# Altium PCB cat.PcbDoc (part 1 of 3)
Units mm, origin at the board's own origin, x right, y up, seen from the top; angles counter-clockwise.
Board outline 65 x 116 mm, 4 copper layers (Top Layer, Layer 2, Layer 3, Bottom Layer), stack 1.518 mm thick; 236 components, 164 nets, 890 pads, 231 vias.
Unrouted connection lines stored in the file: 330.
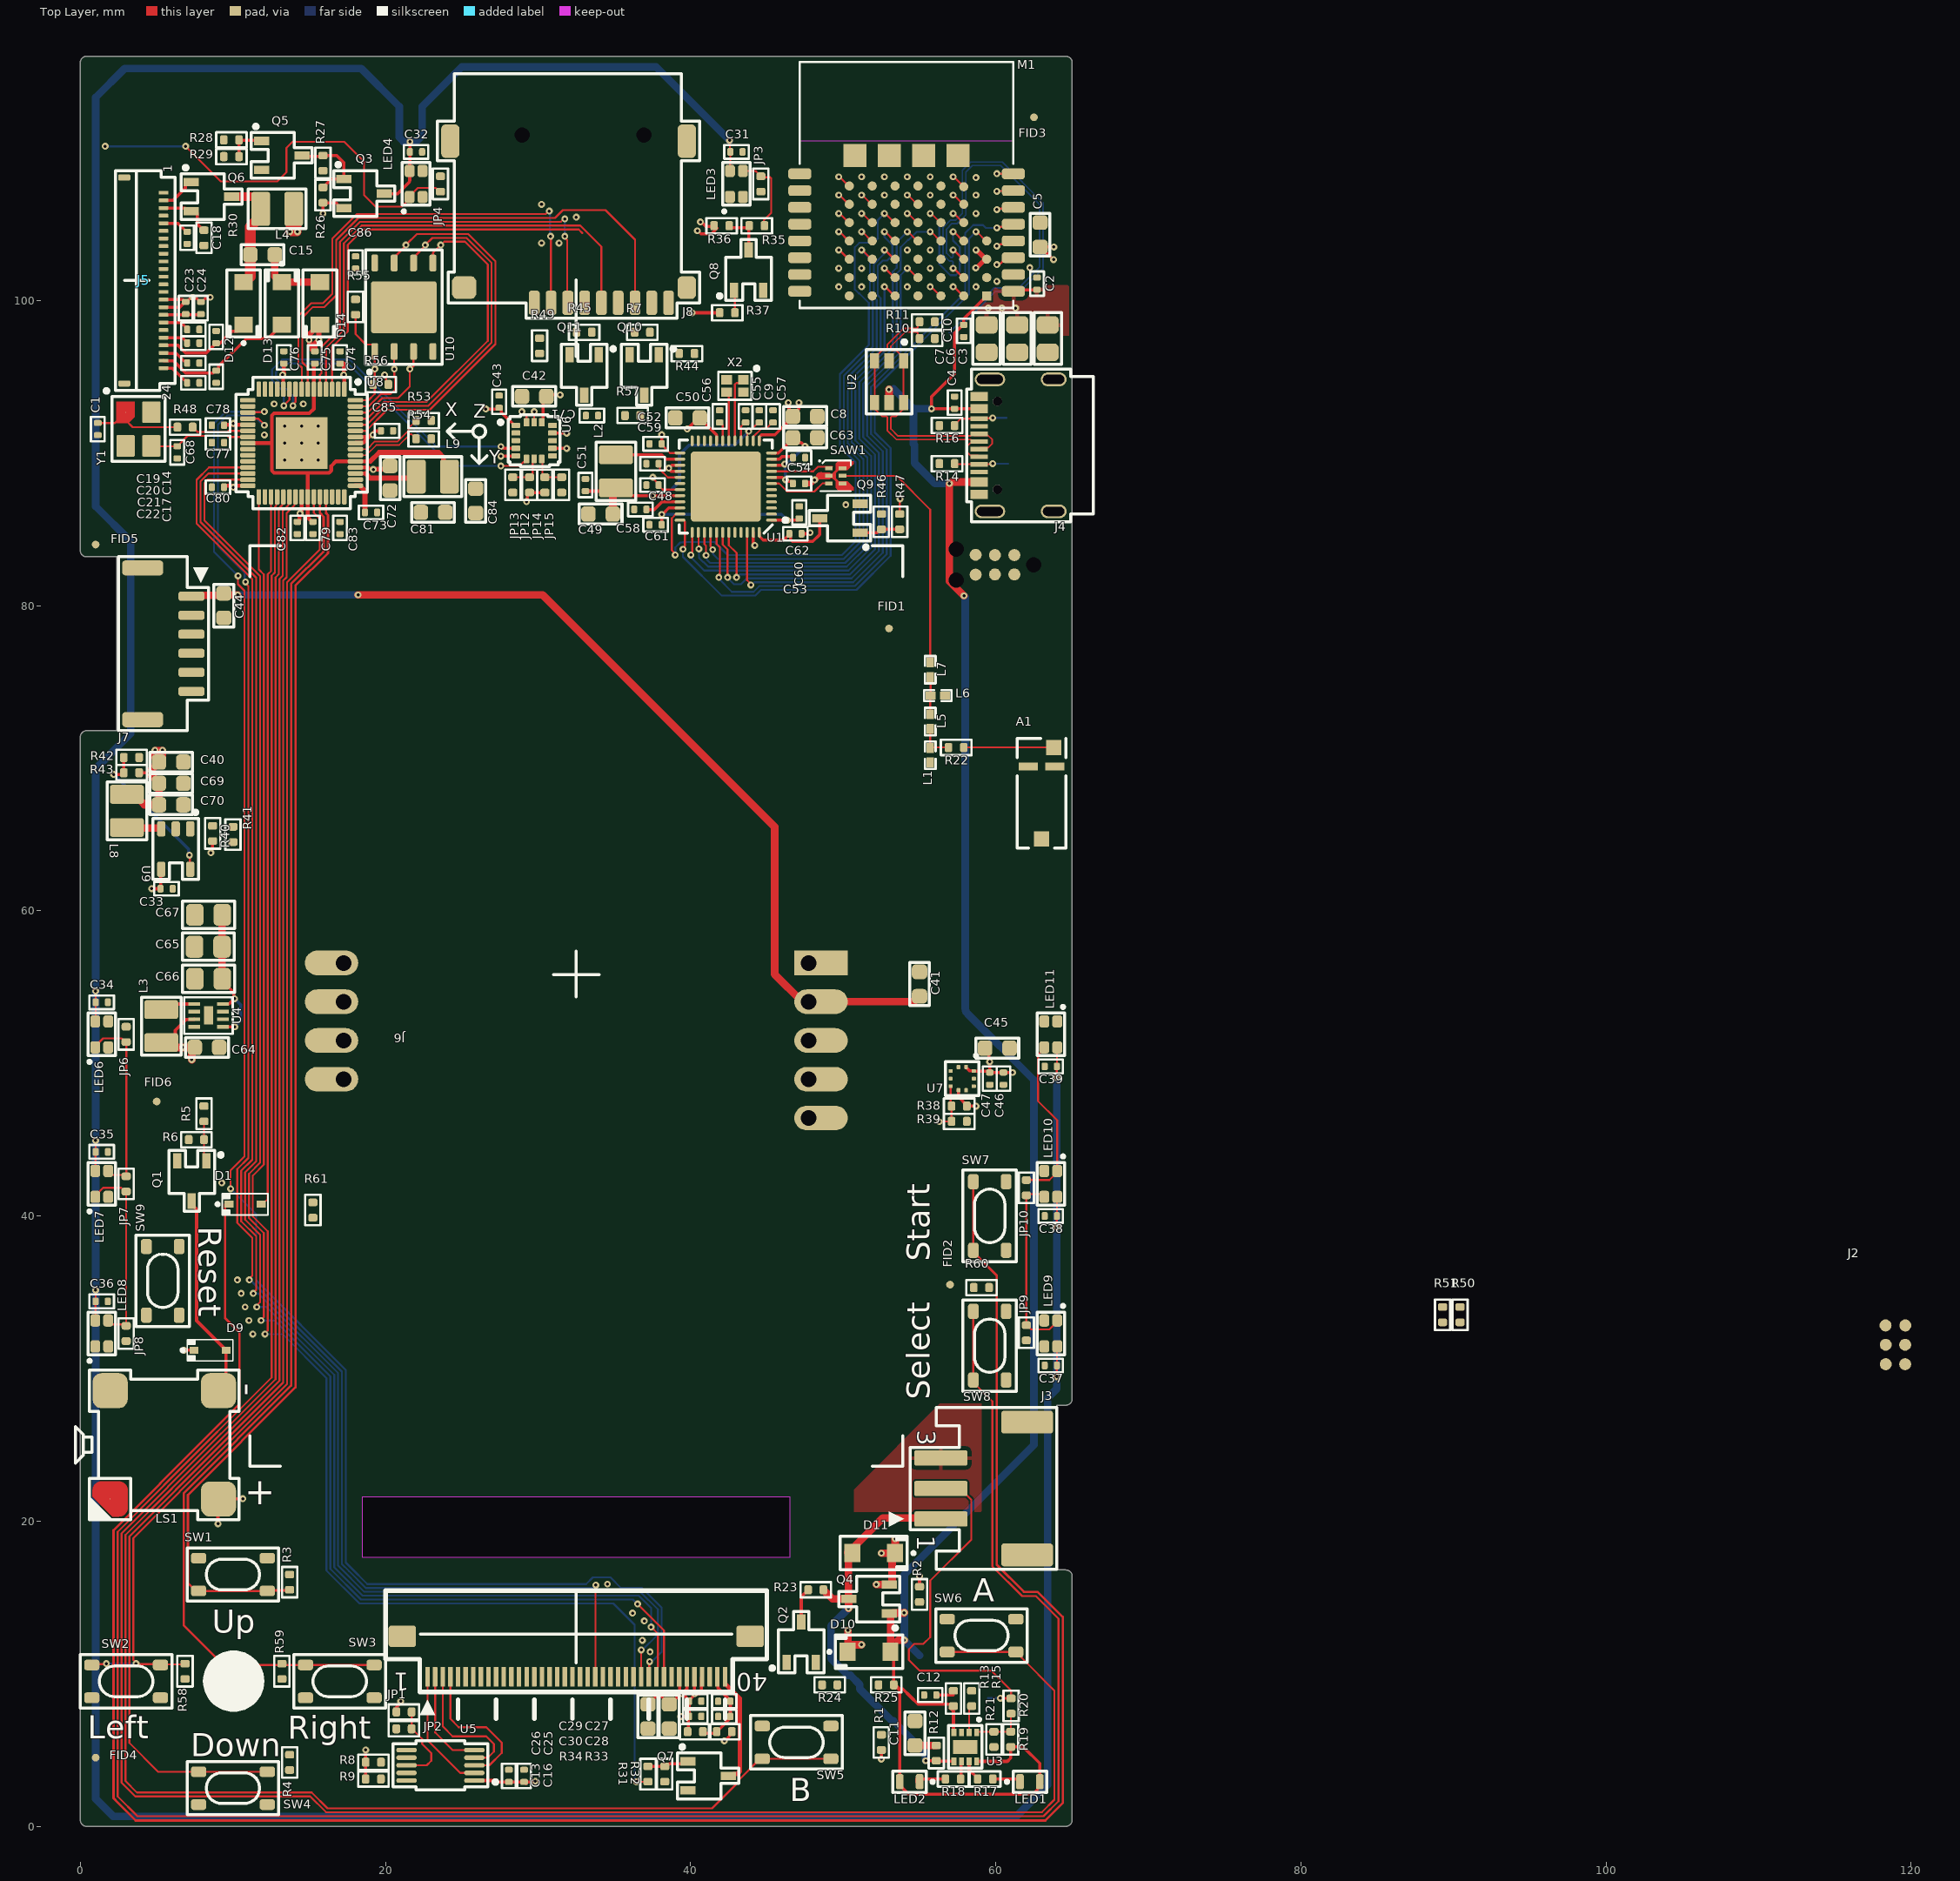
[diagram p0: Top Layer view]
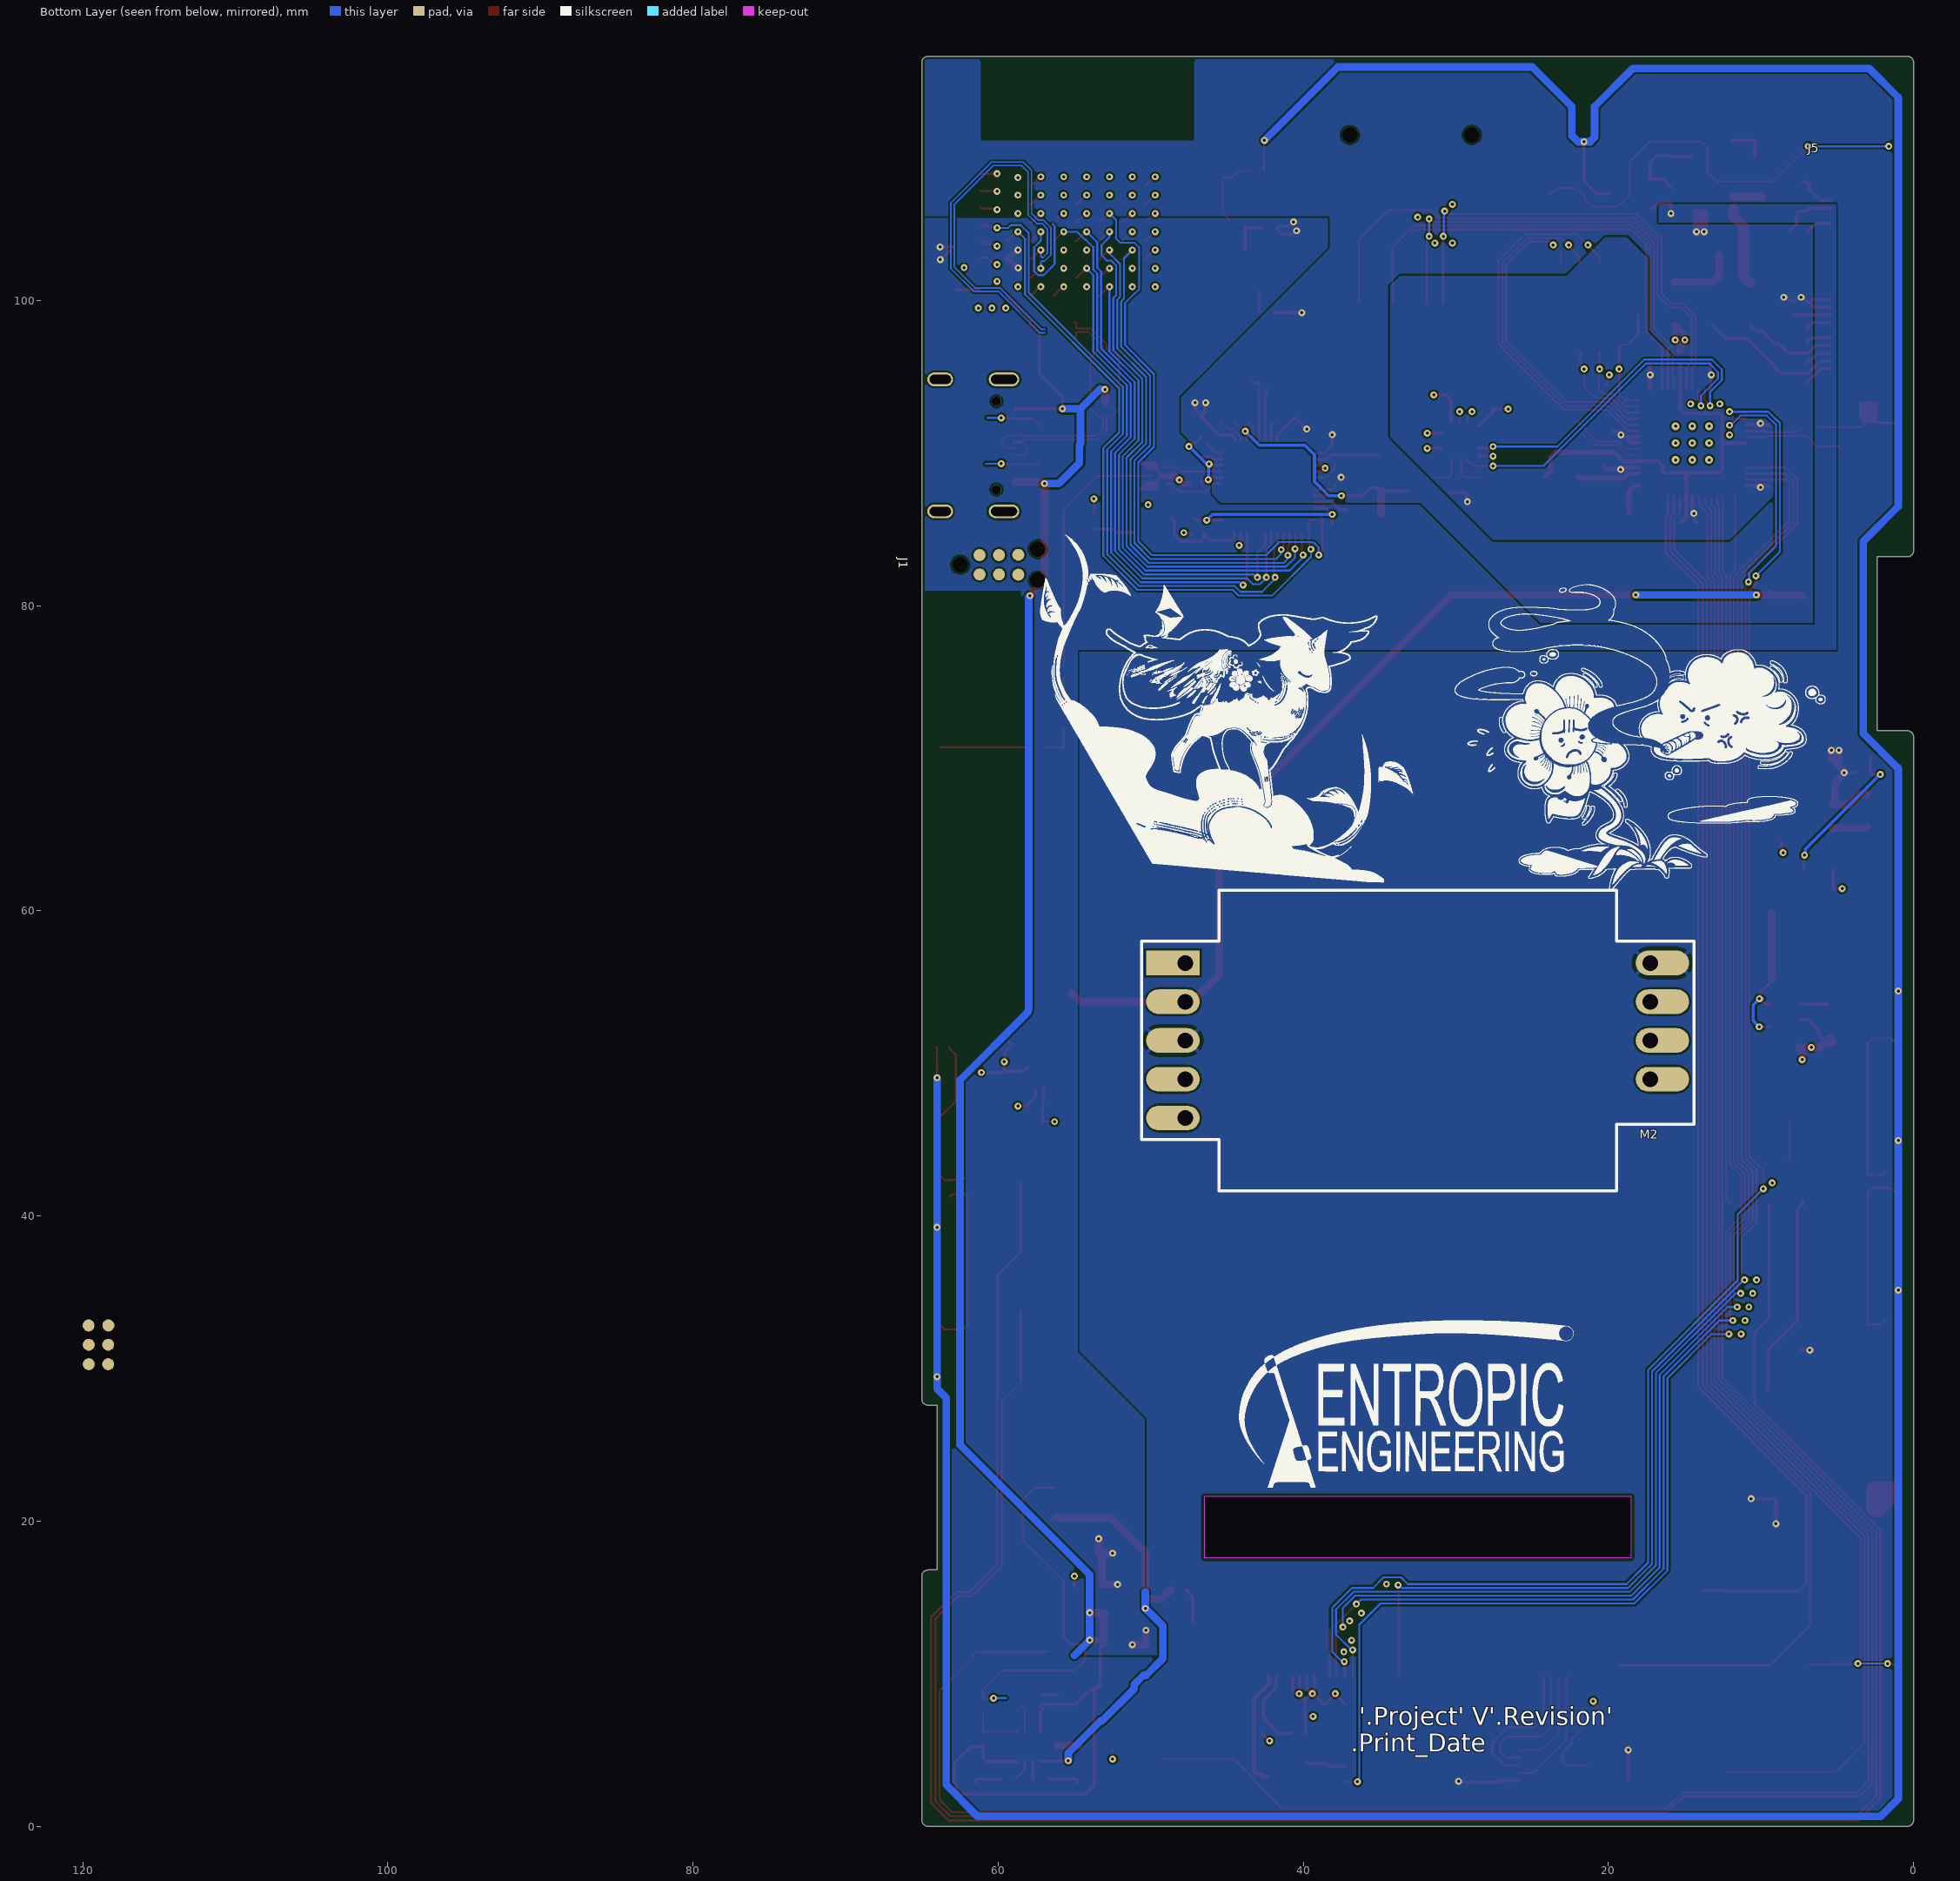
[diagram p1: Bottom Layer view, seen from below]
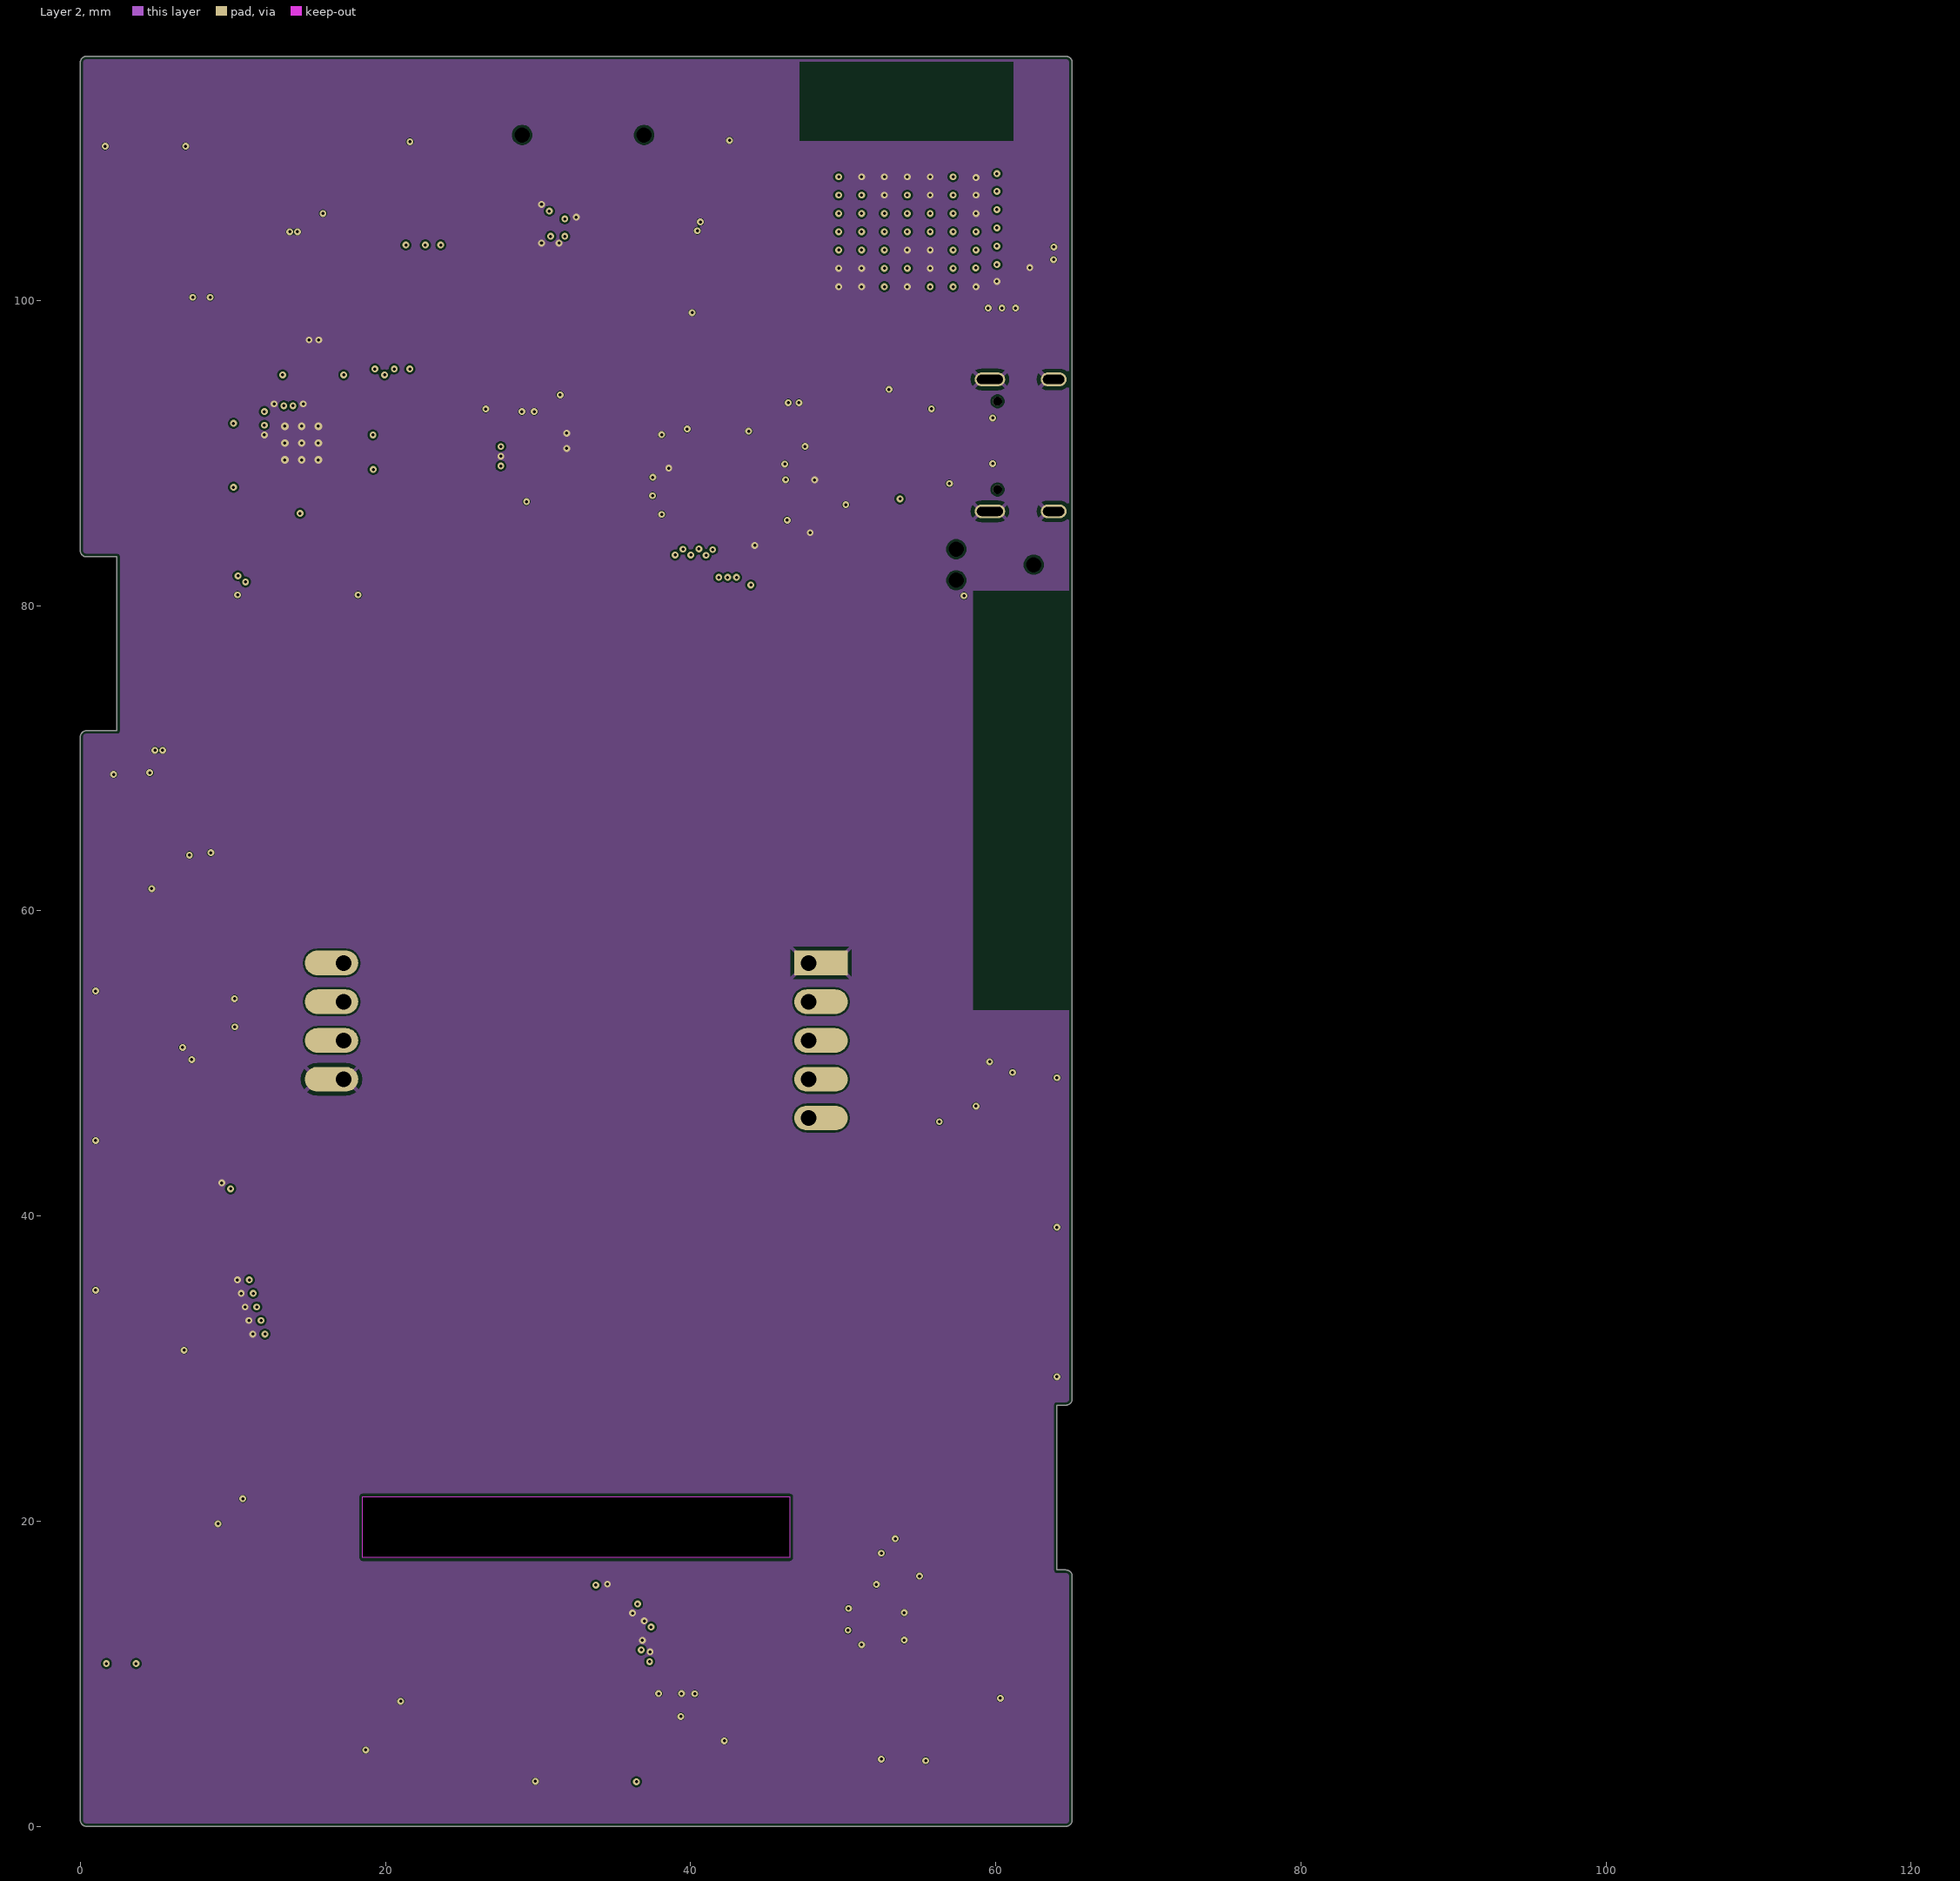
[diagram p2: Layer 2]
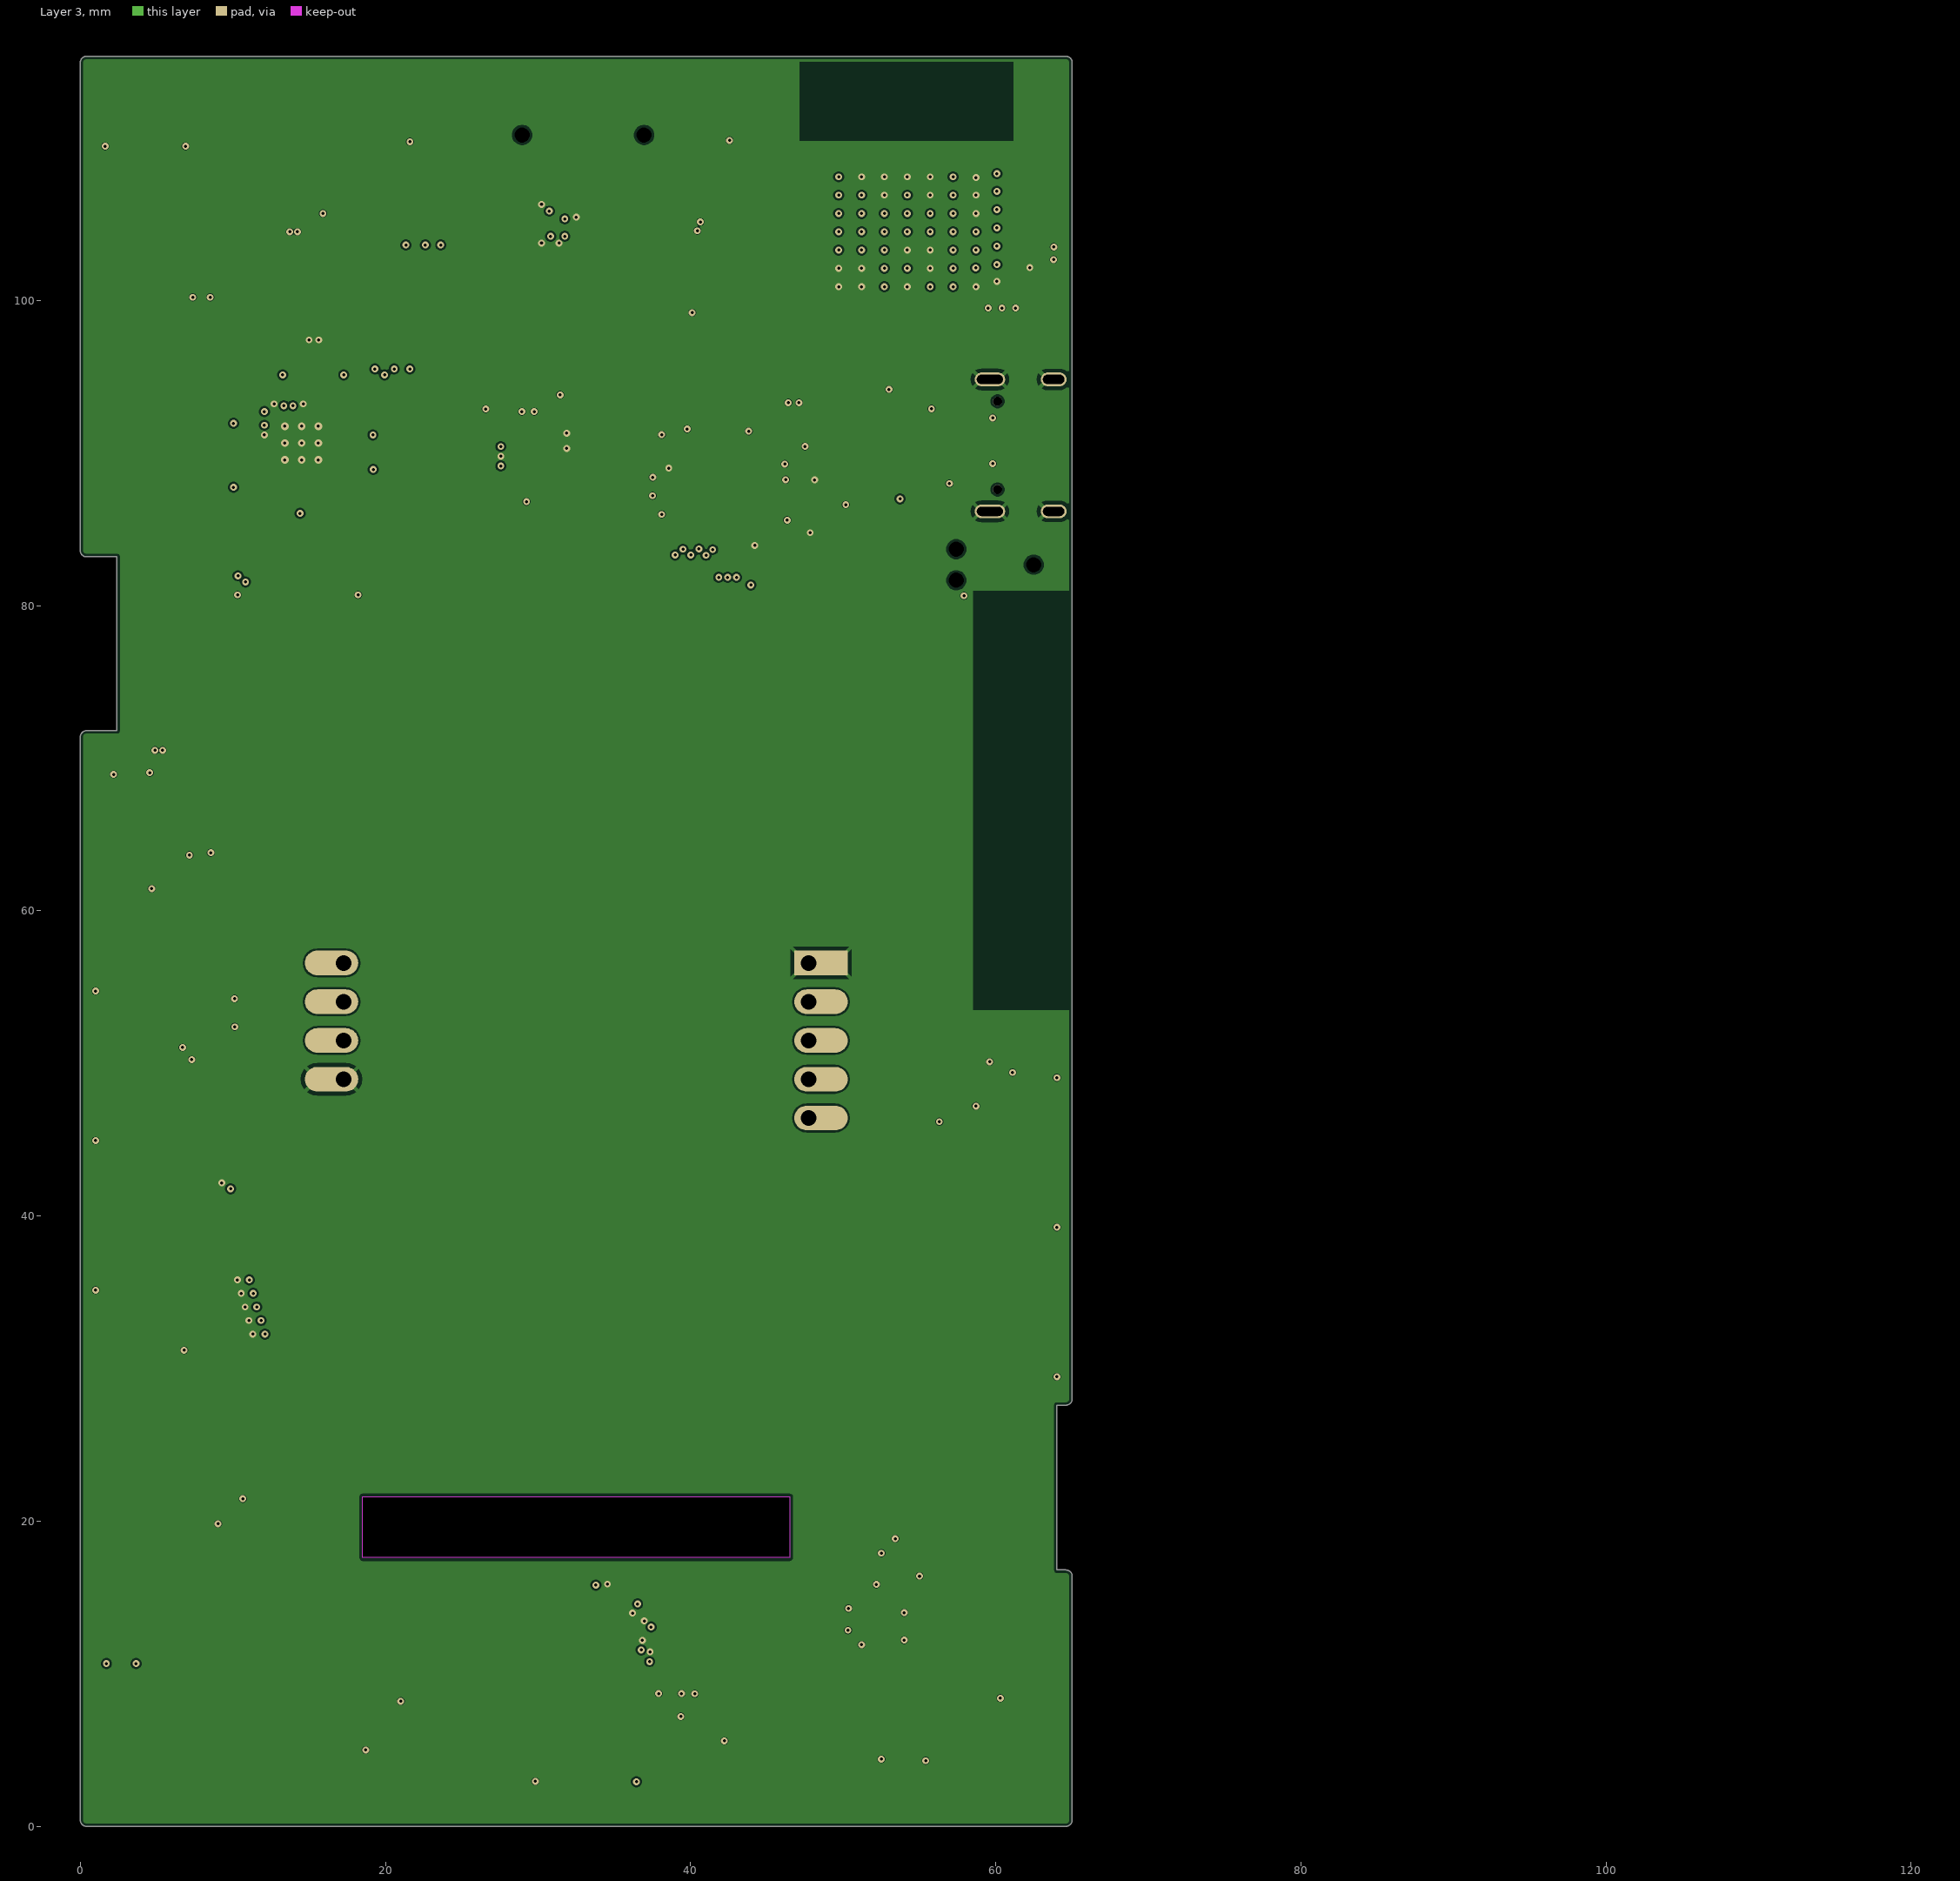
[diagram p3: Layer 3]
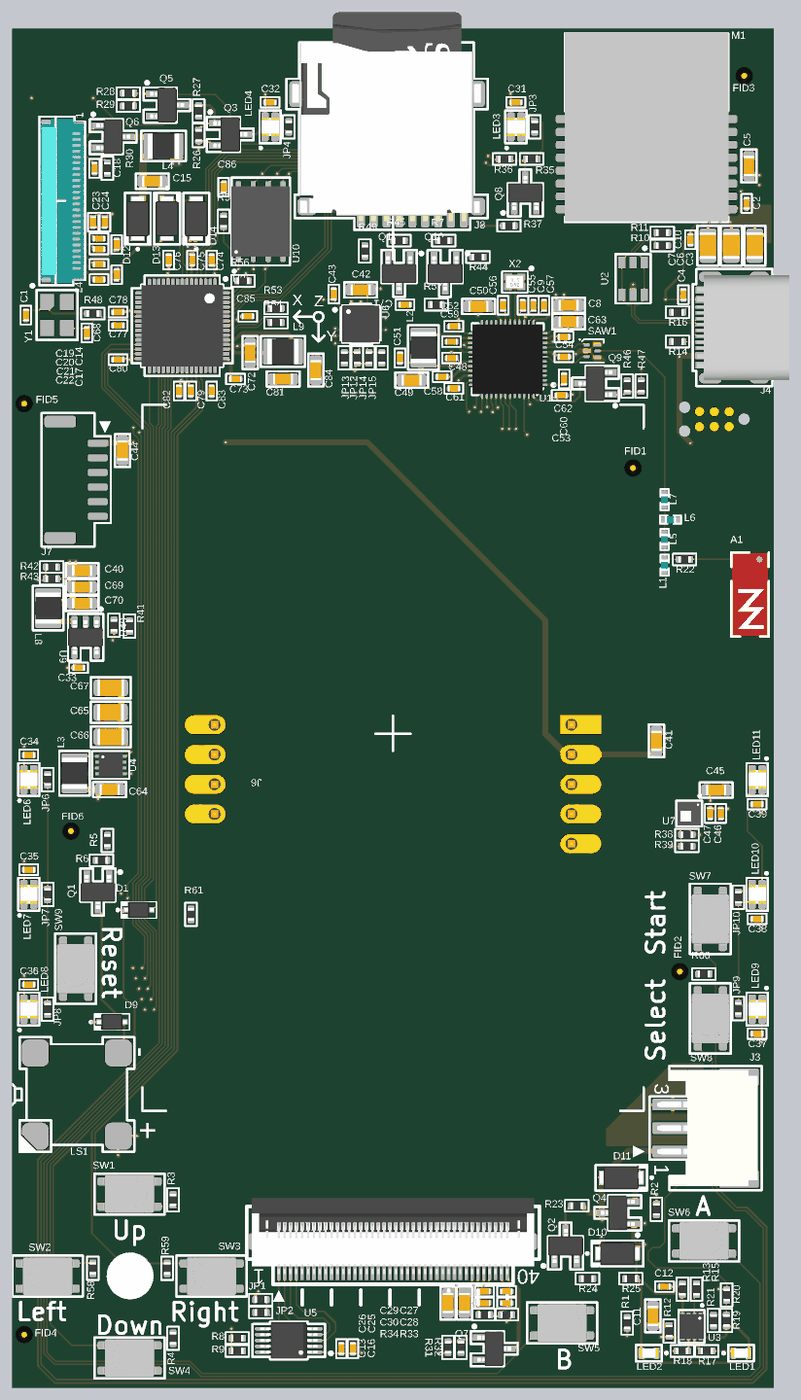
[diagram p6: 3D render of the assembled board from above, using the file's embedded part models]

## Layer stack, top to bottom
Top Solder: solder mask 0.0254, Solder Resist, Dk 3.8
Top Layer: signal copper 0.035
Dielectric 2: prepreg 0.0764, PP-006, Dk 3.91
Layer 2: signal copper 0.0152
Dielectric 1: dielectric 1.265, FR-4, Dk 4.6
Layer 3: signal copper 0.0152
Dielectric 3: prepreg 0.0764, PP-006, Dk 3.91
Bottom Layer: signal copper 0.035
Bottom Solder: solder mask 0.0254, Solder Resist, Dk 3.8

## Board outline
0,0.4 0,71.4 cw(c0.4,71.4) 0.4,71.8 2.4,71.8 2.4,83.2 0.4,83.2 cw(c0.4,83.6) 0,83.6 0,115.6 cw(c0.4,115.6) 0.4,116 64.6,116 cw(c64.6,115.6) 65,115.6 65,28 cw(c64.6,28) 64.6,27.6 64,27.6 64,16.8 64.6,16.8 cw(c64.6,16.4) 65,16.4 65,0.4 cw(c64.6,0.4) 64.6,0 0.4,0 cw(c0.4,0.4)
